# KiCad board Scopefun_v2.kicad_pcb (continued)
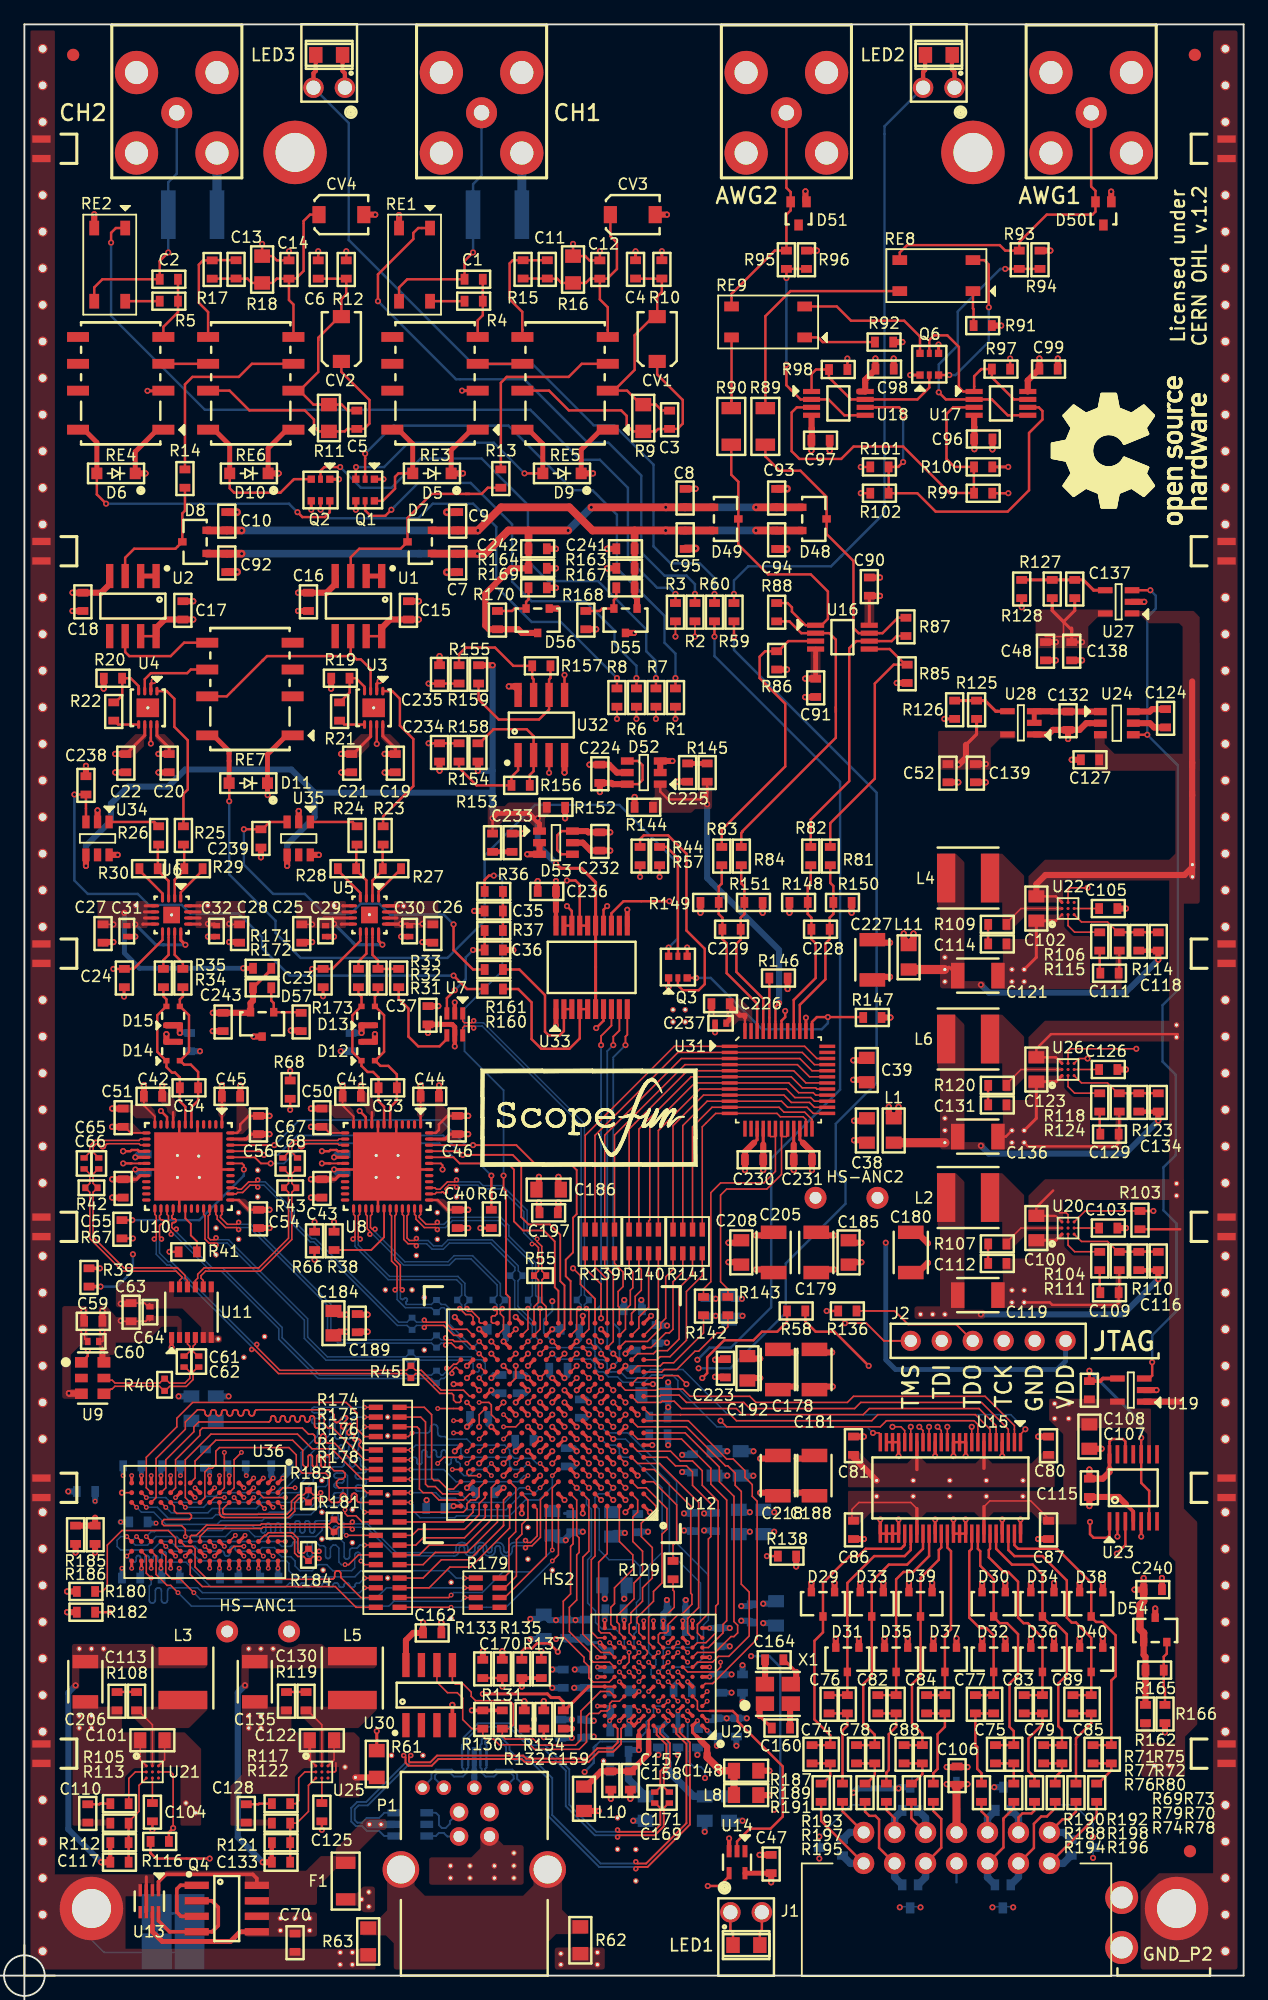
[diagram p0: board, top side]
## Routing (per net, layer and track width the routed paths; a pad name or vN(x,y) marks a point on that pad's centre or on a via; arc(x,y) is an arc through that point) (continued)
/DDR3 SDRAM/DDR3_A14_: length 28.6
  Top w0.127: U36.T7 v2(8.4,36) ; R177.4 27.9,33.7 v2(27.6,34)
  Bottom w0.127: 27.59,34.01 27.59,34.46 27.59,34.51 27.57,34.56 27.54,34.61 27.5,34.65 27.45,34.68 27.4,34.7 27.34,34.71 27.29,34.7 27.24,34.68 27.19,34.65 27.15,34.61 27.12,34.56 27.1,34.51 27.09,34.46 27.09,33.46 26.84,33.2 25.3,33.2 24.8,33.7 24.1,33.7 23.6,33.2 22.6,33.2 22.2,33.6 22.2,34 21.85,34.35 21.1,34.35 20.8,34.65 20.8,34.8 20.5,35.1 19.5,35.1 19.2,34.8 17.5,34.8 17.46,34.81 17.41,34.82 17.38,34.84 17.34,34.88 17.32,34.91 17.31,34.96 17.29,35.04 17.28,35.09 17.26,35.12 17.22,35.16 17.19,35.18 17.14,35.19 17.1,35.2 17.05,35.2 17.01,35.19 16.96,35.18 16.93,35.16 16.89,35.12 16.87,35.09 16.86,35.04 16.85,35 16.85,34.6 16.84,34.56 16.83,34.51 16.81,34.48 16.77,34.44 16.74,34.42 16.69,34.41 16.65,34.4 16.6,34.4 16.56,34.41 16.51,34.42 16.48,34.44 16.44,34.48 16.42,34.51 16.41,34.56 16.39,34.64 16.38,34.69 16.36,34.72 16.32,34.76 16.29,34.78 16.24,34.79 16.2,34.8 14.4,34.8 14,35.2 12.4,35.2 12,35.6 11.2,35.6 10.5,34.9 7.9,34.9 7.6,35.2 7.6,35.7 7.9,36 v2(8.4,36)
/DDR3 SDRAM/DDR3_BA0_: length 23.4
  Top w0.127: R175.3 27.6,41.5 25.45,43.65 24.95,43.65 24.9,43.66 24.85,43.67 24.81,43.7 24.77,43.73 24.75,43.78 24.73,43.82 24.73,43.88 24.73,44.18 24.72,44.23 24.7,44.27 24.68,44.32 24.64,44.35 24.6,44.38 24.55,44.39 24.5,44.4 24.45,44.39 24.4,44.38 24.36,44.35 24.32,44.32 24.3,44.27 24.28,44.23 24.27,44.18 24.27,43.88 24.27,43.82 24.25,43.78 24.23,43.73 24.19,43.7 24.15,43.67 24.1,43.66 24.05,43.65 24,43.66 23.95,43.67 23.91,43.7 23.87,43.73 23.85,43.78 23.83,43.82 23.83,43.88 23.83,44.18 23.82,44.23 23.8,44.27 23.78,44.32 23.74,44.35 23.7,44.38 23.65,44.39 23.6,44.4 23.3,44.4 22.8,44.9 14.6,44.9 14.4,44.7 14.4,44.3 12.4,42.3 12.4,40 U36.M2
/DDR3 SDRAM/DDR3_BA1_: length 28.6
  Top w0.127: v2(13.9,31.4) 12.8,32.5 12.1,32.5 11.6,33 11.6,34.4 U36.N8 ; R179.2 v2(36.1,31.8)
  Bottom w0.127: v2(13.9,31.4) 14.4,30.9 28.8,30.9 29.7,31.8 v2(36.1,31.8)
/DDR3 SDRAM/DDR3_BA2_: length 29.6
  Top w0.127: v2(13.2,36) 13.2,36.6 12.9,36.9 11.45,36.9 11.3,37.05 11.3,37.25 11.45,37.4 13.55,37.4 13.7,37.55 13.7,37.75 13.55,37.9 12.5,37.9 12.3,38.1 12.3,38.5 U36.M3 ; v2(27.9,35.3) 28.8,35.3
  Bottom w0.127: 27.52,35.3 27.32,35.1 ; 27.52,35.3 27.27,35.05 26.9,35.05 26.85,35.04 26.8,35.03 26.76,35 26.72,34.97 26.7,34.92 26.68,34.88 26.67,34.83 26.67,34.38 26.67,34.32 26.65,34.28 26.63,34.23 26.59,34.2 26.55,34.17 26.5,34.16 26.45,34.15 26.4,34.16 26.35,34.17 26.31,34.2 26.27,34.23 26.25,34.28 26.23,34.32 26.23,34.38 26.23,35.47 25.77,35.93 25.77,36.62 25.77,36.68 25.75,36.72 25.73,36.77 25.69,36.8 25.65,36.83 25.6,36.84 25.55,36.85 25.5,36.84 25.45,36.83 25.41,36.8 25.37,36.77 25.35,36.72 25.33,36.68 25.33,36.62 25.33,35.96 25.32,35.9 25.3,35.86 25.28,35.81 25.24,35.78 25.2,35.75 25.15,35.74 25.1,35.73 25.05,35.74 25,35.75 24.96,35.78 24.92,35.81 24.9,35.86 24.88,35.9 24.88,35.96 24.88,36.62 24.87,36.68 24.85,36.72 24.83,36.77 24.79,36.8 24.75,36.83 24.7,36.84 24.65,36.85 24.6,36.84 24.55,36.83 24.51,36.8 24.47,36.77 24.45,36.72 24.43,36.68 24.42,36.62 24.42,36.53 23.9,36 18.9,36 18.4,36.5 17,36.5 16.5,36 v2(13.2,36) ; 27.52,35.3 v2(27.9,35.3)
/DDR3 SDRAM/DDR3_CAS#_: length 21.7
  Top w0.127: U36.K3 13.2,39.2 13.2,40.21 13.2,42.3 15.3,44.4 22.4,44.4 23.6,43.2 25.2,43.2 27.7,40.7 R175.4
/DDR3 SDRAM/DDR3_CKE_: length 17.7
  Top w0.127: 22.5,31.9 22.8,31.9 ; 22.5,31.9 25.5,31.9 27.2,30.2 R178.4 ; 22.5,31.9 14.6,31.9 13.6,32.9 U36.K9
/DDR3 SDRAM/DDR3_ODT_: length 26.8
  Top w0.127: R176.1 28.1,39.6 27.7,40 25.8,40 25.6,40.2 25.6,40.5 25.8,40.7 26.1,40.7 26.3,40.9 26.3,41.2 26.1,41.4 25.4,41.4 25.02,41.78 25.02,42.53 25.02,42.56 25.01,42.6 24.99,42.63 24.96,42.66 24.93,42.68 24.89,42.7 24.85,42.7 24.81,42.7 24.77,42.68 24.74,42.66 24.71,42.63 24.69,42.6 24.68,42.56 24.67,42.53 24.67,41.88 24.67,41.84 24.66,41.8 24.64,41.77 24.61,41.74 24.58,41.72 24.54,41.7 24.5,41.7 24.46,41.7 24.42,41.72 24.39,41.74 24.36,41.77 24.34,41.8 24.33,41.84 24.33,41.88 24.33,42.53 24.32,42.56 24.31,42.6 24.29,42.63 24.26,42.66 24.23,42.68 24.19,42.7 24.15,42.7 24.11,42.7 24.07,42.68 24.04,42.66 24.01,42.63 23.99,42.6 23.98,42.56 23.98,42.53 23.98,41.88 23.97,41.84 23.96,41.8 23.94,41.77 23.91,41.74 23.88,41.72 23.84,41.7 23.8,41.7 23.76,41.7 23.72,41.72 23.69,41.74 23.66,41.77 23.64,41.8 23.63,41.84 23.62,41.88 23.62,42.53 23.62,42.56 23.61,42.6 23.59,42.63 23.56,42.66 23.53,42.68 23.49,42.7 23.45,42.7 23.41,42.7 23.37,42.68 23.34,42.66 23.31,42.63 23.29,42.6 23.28,42.56 23.27,42.53 23.27,41.88 23.27,41.84 23.26,41.8 23.24,41.77 23.21,41.74 23.18,41.72 23.14,41.7 23.1,41.7 23.06,41.7 23.02,41.72 22.99,41.74 22.83,41.9 22.83,43.07 22,43.9 15.7,43.9 14,42.2 14,40.8 U36.K1
/DDR3 SDRAM/DDR3_RAS#_: length 24
  Top w0.127: R176.2 27.5,38.8 27.45,38.81 27.4,38.82 27.36,38.85 27.32,38.88 27.3,38.93 27.28,38.97 27.27,39.03 27.27,39.33 27.27,39.38 27.25,39.42 27.23,39.47 27.19,39.5 27.15,39.53 27.1,39.54 27.05,39.55 27,39.54 26.95,39.53 26.91,39.5 26.87,39.47 26.85,39.42 26.83,39.38 26.83,39.33 26.83,39.03 26.82,38.97 26.8,38.93 26.78,38.88 26.74,38.85 26.7,38.82 26.65,38.81 26.6,38.8 26.55,38.81 26.5,38.82 26.46,38.85 26.42,38.88 26.4,38.93 26.38,38.97 26.38,39.03 26.38,39.33 26.37,39.38 26.35,39.42 26.33,39.47 26.29,39.5 26.25,39.53 26.2,39.54 26.15,39.55 26.1,39.54 26.05,39.53 26.01,39.5 25.97,39.47 25.95,39.42 25.93,39.38 25.92,39.33 25.92,39.03 25.92,38.97 25.9,38.93 25.88,38.88 25.84,38.85 25.8,38.82 25.75,38.81 25.7,38.8 25.2,38.8 25,39 25,40.9 24.7,41.2 22.8,41.2 22.3,41.7 22.3,42.7 21.7,43.3 16,43.3 15.7,43 15.7,41.9 15.4,41.6 15.1,41.6 14.8,41.3 14.8,39.2 U36.J3 14.39,38.8
/DDR3 SDRAM/DDR3_WE#_: length 27.7
  Top w0.127: R174.2 v2(27.9,45.8) ; U36.L3 v2(13.2,38.4)
  Bottom w0.127: v2(27.9,45.8) 27.05,45.8 27,45.79 26.95,45.78 26.91,45.75 26.87,45.72 26.85,45.67 26.83,45.63 26.83,45.58 26.83,44.22 26.82,44.17 26.8,44.13 26.78,44.08 26.74,44.05 26.7,44.02 26.65,44.01 26.6,44 26.55,44.01 26.5,44.02 26.46,44.05 26.42,44.08 26.4,44.13 26.38,44.17 26.38,44.22 26.38,45.58 26.37,45.63 26.35,45.67 26.33,45.72 26.29,45.75 26.25,45.78 26.2,45.79 26.15,45.8 26.1,45.79 26.05,45.78 26.01,45.75 25.97,45.72 25.95,45.67 25.93,45.63 25.92,45.58 25.92,44.22 25.92,44.17 25.9,44.13 25.88,44.08 25.84,44.05 25.8,44.02 25.75,44.01 25.7,44 25.65,44.01 25.6,44.02 25.56,44.05 25.52,44.08 25.5,44.13 25.48,44.17 25.48,44.22 25.48,45.58 25.47,45.63 25.45,45.67 25.43,45.72 25.39,45.75 25.35,45.78 25.3,45.79 25.25,45.8 25.2,45.79 25.15,45.78 25.11,45.75 25.07,45.72 25.05,45.67 25.03,45.63 25.02,45.58 25.02,44.33 23.5,42.8 23.5,41.2 22.8,40.5 22.8,39.9 22.5,39.6 21.2,39.6 20.8,39.2 19.4,39.2 19,38.8 15.1,38.8 14.7,38.4 v2(13.2,38.4)
/DDR3 SDRAM/VFREF: length 5.3
  Top w0.127: 15.2,40.99 v2(15.19,41)
  Top w0.25: U36.M8 v2(12.4,34.4) ; U36.H1 15.2,40.99
  Top w0.5: 4.3,36.9 v2(5,36.9) R185.2 ; 5.8,36.95 v2(5.8,37.55)
  Bottom w0.4: v2(10.8,37.1) 10.3,37.1 ; 14.9,41.6 15.19,41.31 v2(15.19,41)
  Bottom w0.5: 10.3,37.1 10.2,37.2 ; 5.8,39.6 v2(5.8,38.9)
/GAIN, OFFSET/AN_TRIG: length 8.6
  Top w0.127: R31.1 30.85,81.05
  Top w0.2: U7.4 34.65,76.8 34.05,76.2 32.3,76.2 31.5,77 31.5,79.3 30.7,80.1 R31.1
/POWER SUPPLY/A2_L_1V0: length 5.2
  Top w0.127: 80.56,60 80.56,60.13 81.73,61.3 U20.A2
/POWER SUPPLY/A2_L_1V2: length 5.2
  Top w0.127: 23.1,21.74 23.23,21.74 24.4,20.56 U25.A2
/POWER SUPPLY/A2_L_1V5: length 5.2
  Top w0.127: U21.A2 10.5,20.56 9.33,21.74 9.2,21.74
/POWER SUPPLY/A2_L_1V8: length 5.2
  Top w0.127: 80.56,73 80.56,73.13 81.73,74.3 U26.A2
/POWER SUPPLY/A2_L_3V3: length 5.2
  Top w0.127: U22.A2 81.73,87.5 80.56,86.33 80.56,86.2
/POWER SUPPLY/PG1: length 27.4
  Top w0.127: R103.2 87,62.7 U20.C3 ; U26.B3 85.6,75.8 85.8,76 v1(91.2,76)
  Top w0.2: R103.2 v1(92.6,62.7)
  In2.Cu w0.2: v1(92.6,62.7) 92.6,68.8 91.2,70.2 v1(91.2,76)
/POWER SUPPLY/PG2: length 179.1
  Top w0.127: U22.B3 85.6,89 85.8,89.2 86.9,89.2 ; U26.C3 86.5,75.2 87,75.2 ; 86.9,89.2 87,89.2 ; 86.9,89.2 v1(87.2,89.2) ; v1(12.2,12.1) 12.2,16.5 12,16.7 U21.B3
  Top w0.2: v1(12.2,12.1) 11.85,11.75 R116.2
  In2.Cu w0.2: v1(12.2,12.1) 19.2,12.1 27.8,3.5 83.3,3.5 94.8,15 94.8,58.45 87.2,66.05 v1(87.2,75.2) v1(87.2,89.2)
/USB FX3/TX+: length 6.3
  Top w0.155: U29.A5 52.14,20.24 52.14,19.86 52.94,19.06 52.94,17.14 52.44,16.64 52.44,15.46 52.85,15.05 C169.2
/USB FX3/TX-: length 6.3
  Top w0.155: C171.2 51.75,15.05 52.16,15.46 52.16,16.76 52.66,17.26 52.66,18.94 51.86,19.74 51.86,20.24 U29.A6
/USB Port/U2D+: length 3.3
  Bottom w0.155: D16.3 33.23,11.45 ; D16.3 32.77,11.45 ; D16.3 33.75,11.45 34,11.7 34.4,11.7 34.69,11.41 P1.3
/USB Port/U2D-: length 4.6
  Bottom w0.127: 35.59,13.35 P1.2
  Bottom w0.155: P1.2 34.9,12.66 34.9,12.45 34.55,12.1 34.25,12.1 34,12.35 34,13.1 33.75,13.35 D16.1 32.77,13.35
A_D0_J2: length 24.6
  Top w0.2: C85.2 R78.2 89.15,24.2 89.5,24.55 89.5,27.9 88.4,29 87.9,29 87.5,29.4 D38.3 87.5,32.2 84.7,35 81.5,35 81.2,35.3 U15.47
A_D1_J1: length 19.1
  Top w0.2: U15.46 80.7,34.9 81.2,34.4 83.5,34.4 85.5,32.4 85.5,29.35 85.9,28.95 86.25,28.95 87.5,27.7 D40.3 R80.2 C89.2
A_D2_J4: length 23
  Top w0.2: U15.44 79.7,35 81,33.7 82.7,33.7 83.5,32.9 D34.3 83.5,29.4 84,28.9 84.6,28.9 85.5,28 85.5,24.65 84.8,23.95 84.8,20.45 85.1,20.15 R74.2 C79.2
A_D3_J3: length 17
  Top w0.2: U15.43 79.2,35 79.1,34.9 79.1,34.3 80.3,33.1 80.7,33.1 81.5,32.3 81.5,29.35 81.95,28.9 82.3,28.9 83.5,27.7 D36.3 R76.2 C83.2
A_D4_J6: length 21
  Top w0.2: U15.41 78.2,35 78.4,34.8 78.4,33.6 79.5,32.5 D30.3 79.5,29.4 80,28.9 80.6,28.9 81.5,28 81.5,24.65 80.8,23.95 80.8,20.4 81.15,20.05 R70.2 C75.2
A_D5_J5: length 16
  Top w0.2: C77.2 R72.2 D32.3 79.5,27.9 78.9,28.5 78.35,28.5 77.5,29.35 77.5,34.8 77.7,35 U15.40
A_D6_J10: length 15.1
  Top w0.2: C84.2 R77.2 D37.3 75.5,27.9 76,28.4 76,34.8 75.7,35.1 75.7,35.4 ; 75.7,35.4 75.7,35.36 ; 75.7,35.4 U15.36
A_D7_J9: length 20.4
  Top w0.2: 73.5,29.65 73.5,24.6 72.8,23.9 72.8,20.7 73.65,19.85 R79.2 C88.2 ; D39.3 73.5,32.6 75,34.1 75,34.9 75.2,35.1 U15.35
A_D8_J12: length 22.1
  Top w0.2: U15.32 73.7,35 72.4,33.7 70.9,33.7 69.5,32.3 D33.3 69.5,24.6 68.8,23.9 68.8,20.7 69.75,19.75 R73.2 C78.2
A_D9_J11: length 16.3
  Top w0.2: U15.33 74.2,34.4 72.9,33.1 72.1,33.1 71.5,32.5 D35.3 R75.2 C82.2
A_D10_J14: length 24.6
  Top w0.2: U15.29 72.2,35.3 72.1,35.2 72.1,35.2 71.9,35 69,35 68.4,34.4 67.7,34.4 65.5,32.2 D29.3 65.5,28.15 64.8,27.45 64.8,21 66.1,19.7 R69.2 C74.2
A_D11_J13: length 18.4
  Top w0.2: 72.7,35.36 72.7,35.1 72.7,35.1 72.7,34.9 72.2,34.4 69.7,34.4 67.5,32.2 D31.3 R71.2 C76.2 ; 72.7,35.36 U15.30 ; 72.7,35.36 72.7,35.36
ADC_CLK_EN: length 89.9
  Top w0.127: 4.65,50.08 4.73,50.08
  Top w0.2: U14.4 57.8,8.15 57,7.35 v1(56.05,7.35) ; U9.1 5.2,50.81 v1(5.2,51.2)
  In2.Cu w0.2: v1(5.2,51.2) 5.2,49.8 5,49.6 5,40 4.3,39.3 4.3,36.1 5,35.4 5,34.2 4.5,33.7 4.5,28.9 5.7,27.7 7.3,27.7 23.8,11.2 32.25,11.2 33.7,9.75 33.7,7.1 34.9,5.9 53.65,5.9 55.1,7.35 v1(56.05,7.35)
ADC_CLK_EN_S: length 19.9
  Top w0.127: 56.2,21.7 55.35,21.7 55.2,21.85 55.2,22.5 54.8,22.9
  Top w0.2: 56.2,21.7 58.1,21.7 58.5,21.3 58.5,20.85 62.2,17.15 62.2,13.05 61.2,12.05 59.5,12.05 58.45,11 U14.2
ADC_RESETN: length 153.6
  Top w0.127: U29.H6 v2(52,26.5)
  Top w0.15: 9.4,66.6 8.8,66.6 ; 25.7,66.6 25.1,66.6
  Top w0.2: 9.4,66.6 U10.18 ; 8.8,66.6 v1(8.1,66.6) ; U8.18 25.7,66.6 ; v1(24.4,66.6) 25.1,66.6
  Top w0.3: R39.2 v1(6.2,58)
  In2.Cu w0.127: v2(52,26.5) 52,25.7 52.4,25.3 52.4,24.5 52.41,24.49 52.41,23.79 52.6,23.6 55.5,23.6 55.8,23.9 56.5,23.9 56.7,24.1 58.7,24.1 59.6,25 v1(59.6,26.2)
  In2.Cu w0.2: v1(24.4,66.6) 22.8,66.6 19.4,63.2 18,63.2 16.9,64.3 9.4,64.3 8.1,65.6 v1(8.1,66.6) 7.05,66.6 6.2,65.75 v1(6.2,58) 7.2,57 7.2,50.1 6.6,49.5 6.6,34.2 5.7,33.3 5.7,29.4 6.7,28.4 8.5,28.4 11.6,25.3 20.2,25.3 28.4,17.1 41.4,17.1 43,15.5 50.2,15.5 52.1,13.6 v1(61.5,13.6)
  Bottom w0.2: v1(59.6,26.2) 61.1,26.2 62,25.3 62,14.1 v1(61.5,13.6)
ADC_SCLK: length 45.3
  Top w0.15: v1(19.65,67.3) 19.35,67.6 U10.45 ; U12.R8 44.3,53 44.3,56.6 43.95,56.95 43.95,60.75 43.1,61.6 41.35,61.6 40.75,62.2 40.75,66.6 40.05,67.3 v1(35.95,67.3) 35.65,67.6 U8.45
  Bottom w0.15: v1(19.65,67.3) 20.8,67.3 22.4,68.9 34.35,68.9 v1(35.95,67.3)
ADC_SDIN: length 47.6
  Top w0.15: v1(20.5,68.1) U10.46 ; U8.46 v1(36.8,68.1) 40.35,68.1 41.9,66.55 44.8,66.55 45.3,66.05 45.3,62.45 45,62.15 45,59.3 44.4,58.7 44.4,57.35 44.8,56.95 U12.T7
  Bottom w0.15: v1(36.8,68.1) 36.2,68.1 34.15,70.15 22.55,70.15 v1(20.5,68.1)
ADCA_CS: length 22.5
  Top w0.15: U12.T8 43.8,56.15 43.5,56.45 43.5,60.2 42.6,61.1 40.9,61.1 40.15,61.85 40.15,66.1 39.65,66.6 35.7,66.6 35.2,67.1 U8.44
ADCB_CS: length 48.1
  Top w0.15: U10.44 18.9,67.1 19.4,66.6 v1(20.2,66.6) ; U12.L15 v1(37.3,48)
  Top w0.2: R64.2 v1(38.3,65.6)
  In2.Cu w0.15: v1(37.3,48) 37.8,48.5 37.8,51.3 37.6,51.5 36.8,51.5 34.5,53.8 34.5,55.4 35.6,56.5 35.6,58 38.3,60.7 v1(38.3,65.6)
  Bottom w0.15: v1(20.2,66.6) 21.3,66.6 22.95,68.25 34.05,68.25 35.7,66.6 37.3,66.6 v1(38.3,65.6)
AN_TRIG_LEVEL: length 41.9
  Top w0.15: v1(39.3,65.6) 39.3,64.55 39.5,64.35 39.5,55.9 39.8,55.6 U12.T12
  Top w0.2: v1(38.5,90.2) 38.1,90.2 37.75,89.85 R36.2
  Bottom w0.15: v1(39.3,65.6) 39.3,72.6 36.1,75.8 36.1,79.3 39.2,82.4 39.2,89.9 38.9,90.2 v1(38.5,90.2)
AN_TRIG_N: length 31.8
  Top w0.127: v3(45.5,54.7) 45.3,54.5 45.3,53 U12.R7 ; U7.6 35.95,77.73 36.09,77.87 36.69,77.87 v3(36.85,77.7)
  Bottom w0.127: v3(45.5,54.7) 45.67,54.86 45.67,55.01 45.3,55.38 R56.1 ; 45.3,55.45 45.67,55.82 45.67,69.74 37.54,77.87 37.01,77.87 v3(36.85,77.7)
AN_TRIG_P: length 32.2
  Top w0.127: U7.1 35.95,78.27 36.09,78.13 36.69,78.13 v3(36.85,78.3) ; U12.R6 46.3,53 46.3,54.5 v3(46.1,54.7)
  Bottom w0.127: 46.3,55.45 45.93,55.82 45.93,69.86 37.66,78.13 37.01,78.13 v3(36.85,78.3) ; R56.2 46.3,55.38 45.93,55.01 45.93,54.86 v3(46.1,54.7)
AWG1_PROT: length 16.3
  Top w0.2: 78.35,131.6 78.47,131.72 ; 78.35,131.6 77.9,131.15 77.9,130.31 77.9,130.31 U17.1 77,129.9 76.65,130.25 76.65,133.55 75.7,134.5 74.6,134.5 74.22,134.12 Q6.5 ; 78.35,131.6 78.48,131.73 R97.2 79.35,131.06 81.16,129.25 U17.7
AWG1_PROTECT: length 13
  Top w0.2: RE8.2 78.73,140.67 79.1,140.3 v1(79.1,136.8) ; Q6.3 v1(75.86,131.25)
  Bottom w0.2: v1(79.1,136.8) 79.1,133.97 76.37,131.25 v1(75.86,131.25)
AWG2_PROT: length 14.1
  Top w0.2: U18.1 64.56,131.33 64.93,131.7 65.99,131.7 65.99,131.06 67.8,129.25 U18.7 73.25,129.25 74.22,130.22 Q6.2
AWG2_PROTECT: length 11.9
  Top w0.2: RE9.2 66.63,136.87 67.8,135.7 72.16,135.7 73.46,134.4 Q6.6
CC_AB: length 48.1
  Top w0.15: U12.L12 40.3,49 v1(40.3,50)
  Top w0.2: v1(50.5,90.1) R44.1
  In2.Cu w0.15: v1(40.3,50) 40.8,50.5 40.8,52.5 41.8,53.5 41.8,56.5 45.9,60.6 47,60.6 51.1,64.7 51.1,89.5 v1(50.5,90.1)
CH1_ADC_CLK_IN+: length 6.1
  Top w0.127: C67.2 21.67,67.52 21.67,68.06 22.09,68.48 25.7,68.48 25.82,68.6 U8.14
CH1_ADC_CLK_IN-: length 6.1
  Top w0.127: C68.2 21.93,67.52 21.93,67.94 22.21,68.22 22.3,68.22 22.34,68.21 22.39,68.2 22.42,68.17 22.45,68.14 22.48,68.1 22.49,68.06 22.5,67.97 22.52,67.93 22.54,67.89 22.57,67.86 22.61,67.84 22.65,67.82 22.7,67.82 22.75,67.82 22.79,67.82 22.84,67.84 22.87,67.86 22.9,67.89 22.93,67.93 22.94,67.97 22.95,68.06 22.97,68.1 22.99,68.14 23.02,68.17 23.06,68.2 23.1,68.21 23.15,68.22 25.7,68.22 25.82,68.1 U8.15
CH1_CM: length 20.6
  Top w0.2: v1(23.6,82.55) C23.1 25.25,82.55 27.55,84.85 U5.9 ; U8.10 28,70.4 v1(27.5,70.9)
  In2.Cu w0.2: v1(27.5,70.9) 26.8,71.6 26.8,76.2 23.15,79.85 23.15,82.1 v1(23.6,82.55)
CH1_DC: length 65.3
  Top w0.15: U12.R12 v1(40.3,53) ; R2.1 v1(55,109.8)
  In2.Cu w0.15: v1(55,109.8) 55,96.4 49.6,91 49.6,89.5 50.15,88.95 50.15,66.05 40.8,56.7 40.8,53.5 v1(40.3,53)
CH1_GAIN: length 11.5
  Top w0.2: U3.7 28.9,102.59 v1(28.9,101) ; R159.1 C235.1 v1(33.15,105.95)
  In2.Cu w0.2: v1(33.15,105.95) 32.2,105 32.2,103.05 30.15,101 v1(28.9,101)
CH1_GAIN_ADJ: length 25.6
  Top w0.2: U33.16 U33.17 45.55,89.45 45.2,89.8 v1(44.5,89.8) ; v1(44.3,106.65) 44.3,105.02 44.31,105.02
  In2.Cu w0.2: v1(44.3,106.65) 43.7,106.05 43.7,94.5 42.6,93.4 42.6,90.9 43.1,90.4 43.9,90.4 v1(44.5,89.8)
CH1_GND: length 62.4
  Top w0.15: v1(53.4,103.05) R1.1 ; U12.M12 v1(39.3,50)
  In2.Cu w0.15: v1(53.4,103.05) 49,98.65 49,93.85 48.2,93.05 47.6,93.05 47.2,92.65 47.2,79.4 46.15,78.35 46.15,77.1 43,73.95 43,62.4 40.7,60.1 40.7,59.2 38.1,56.6 38.1,54 39.3,52.8 39.3,52.7 39.8,52.2 39.8,51.8 39.3,51.3 v1(39.3,50)
CH1_K: length 59.8
  Top w0.127: U12.P13 v1(38.3,52)
  Top w0.15: v1(50.2,103.05) R6.2
  In2.Cu w0.15: v1(50.2,103.05) 46.9,99.75 46.9,98.2 46.4,97.7 46.4,94.55 45.8,93.95 45.8,80.35 44.35,78.9 44.35,77.5 40.4,73.55 40.4,62.3 39.2,61.1 39.2,60.3 36.9,58 36.9,54.2 36.4,53.7 36.4,52.9 36.8,52.5 37.8,52.5 v1(38.3,52)
CH1_OFFSET: length 4
  Top w0.2: U35.1 26.93,94.6 R24.2
CH1_OFFSET_ADJ: length 11.6
  Top w0.2: R161.2 40.6,82.5 42.7,80.4 42.7,77.4 43,77.1 43.9,77.1 44.25,77.45 U33.2 U33.3
CH2_ADC_CLK_IN+: length 6.1
  Top w0.127: C65.2 5.37,67.52 5.37,68.06 5.79,68.48 9.4,68.48 9.52,68.6 U10.14
CH2_ADC_CLK_IN-: length 6.1
  Top w0.127: U10.15 9.52,68.1 9.4,68.22 6.85,68.22 6.8,68.21 6.76,68.2 6.72,68.17 6.69,68.14 6.67,68.1 6.65,68.06 6.64,67.97 6.63,67.93 6.6,67.89 6.57,67.86 6.54,67.84 6.49,67.82 6.45,67.82 6.4,67.82 6.35,67.82 6.31,67.84 6.27,67.86 6.24,67.89 6.22,67.93 6.2,67.97 6.19,68.06 6.18,68.1 6.15,68.14 6.12,68.17 6.09,68.2 6.04,68.21 6,68.22 5.91,68.22 5.63,67.94 5.63,67.52 C66.2
CH2_CM: length 20.8
  Top w0.2: U10.10 11.7,70.4 v1(11.2,70.9) ; U6.9 11.33,84.93 8.95,82.55 C24.1 v1(7.3,82.55)
  In2.Cu w0.2: v1(11.2,70.9) 10.5,71.6 10.5,76.3 6.7,80.1 6.7,81.95 v1(7.3,82.55)
CH2_DC: length 67.3
  Top w0.15: U12.N12 v1(40.3,51) ; v1(53.4,109.8) R3.1
  In2.Cu w0.15: v1(53.4,109.8) 54.2,109 54.2,102 51.2,99 51.2,94.1 48.7,91.6 48.7,85.6 48,84.9 48,77.9 46.5,76.4 46.5,63.7 39.8,57 39.8,52.8 40.3,52.3 v1(40.3,51)
CH2_GAIN: length 30.3
  Top w0.2: R158.1 C234.1 v1(33.15,101.05) ; 10.37,101.5 v1(10.37,101.03) ; 10.37,101.5 U4.7 ; 10.37,101.5 10.37,101.13
  In2.Cu w0.2: v1(10.37,101.03) 20.27,101.03 24,97.3 29.4,97.3 v1(33.15,101.05)
CH2_GAIN_ADJ: length 18.9
  Top w0.2: U32.3 v1(43.03,98.64) ; v1(44.5,87.7) 44.9,87.3 U33.18 U33.19
  In2.Cu w0.2: v1(44.5,87.7) 42.6,87.7 40.2,90.1 40.2,95.8 v1(43.03,98.64)
CH2_GND: length 60.4
  Top w0.15: U12.N13 v1(38.3,51) ; v1(51.8,103.05) R7.1
  In2.Cu w0.15: v1(38.3,51) 38.8,51.5 38.8,52.5 37.5,53.8 37.5,57.2 40,59.7 40,60.6 41.4,62 41.4,73.45 45.25,77.3 45.25,78.75 46.5,80 46.5,93.3 47.85,94.65 47.85,99.1 v1(51.8,103.05)
CH2_K: length 64.5
  Top w0.15: U12.M15 v1(36.3,49) ; v1(48.6,103.05) R8.2
  In2.Cu w0.15: v1(36.3,49) U12.M15 36.8,50.5 36.2,51.1 34.2,51.1 33.8,51.5 33.8,58.8 35.5,60.5 35.5,63.2 37.2,64.9 37.2,65.8 39.3,67.9 39.3,74.85 45.1,80.65 45.1,99.55 v1(48.6,103.05)
CH2_OFFSET: length 4.2
  Top w0.2: R26.2 10.66,94.6 U34.1
CH2_OFFSET_ADJ: length 13.5
  Top w0.2: R160.2 40.5,80.9 41.6,79.8 41.6,76.8 42.4,76 44.7,76 45.55,76.85 U33.4 U33.5
CLK_ADC_N: length 18.2
  Top w0.127: U12.N14 v3(37.3,51) ; v3(30.4,56.23) 30.57,56.39 30.57,58.14 30.12,58.59 30.12,62.3 30,62.42 U8.31 ; 37.43,50.87 37.43,50.89
  Bottom w0.127: v3(37.3,51) 36.92,51.38 36.53,51.38 34.58,53.32 34.58,54.59 34.41,54.77 34.19,54.77 33.83,54.4 R51.2 33.75,54.4 33.38,54.77 31.24,54.77 30.57,55.44 30.57,56.07 v3(30.4,56.23)
CLK_ADC_P: length 18.1
  Top w0.127: v3(31,56.23) 30.83,56.39 30.83,58.26 30.38,58.71 30.38,62.3 30.5,62.42 U8.32 ; U12.P14 v3(37.3,52)
  Bottom w0.127: v3(31,56.23) 30.83,56.07 30.83,55.56 30.91,55.48 30.93,55.46 30.96,55.45 31,55.44 31.03,55.44 31.06,55.45 31.09,55.46 31.12,55.48 31.15,55.52 31.18,55.54 31.21,55.55 31.24,55.56 31.28,55.56 31.31,55.55 31.34,55.54 31.37,55.52 31.39,55.49 31.4,55.46 31.41,55.43 31.41,55.4 31.4,55.36 31.39,55.33 31.37,55.31 31.33,55.27 31.31,55.25 31.3,55.22 31.29,55.18 31.29,55.15 31.3,55.12 31.31,55.09 31.33,55.06 31.36,55.03 33.38,55.03 33.75,55.4 R51.1 33.83,55.4 34.19,55.03 34.52,55.03 34.85,54.7 34.85,53.44 36.64,51.65 36.95,51.65 v3(37.3,52)
clk_fx3: length 8.2
  Top w0.127: U12.C1 51.6,40.5 53.5,38.6 53.5,35.6 53.2,35.3 R129.1
D0_J2: length 8.7
  Top w0.2: J1.2 87.95,13.08 R196.2
  Bottom w0.6: J1.2 85.2,9.2 D42.1
D1_J1: length 5.7
  Top w0.2: J1.1 85.15,12.82 85.62,12.82 86.25,13.45 R198.2
  Bottom w0.6: J1.1 85.26,11.74 D42.2
D2_J4: length 8.6
  Top w0.2: J1.4 82.8,10.47 82.8,12.45 83.4,13.05 83.87,13.05 84.55,13.73 R192.2
  Bottom w0.6: D47.2 81.53,8.08 J1.4
D3_J3: length 5.5
  Top w0.2: J1.3 81.53,12.98 81.86,13.3 82.6,13.3 82.85,13.55 R194.2
  Bottom w0.6: J1.3 81.53,12.97 D43.1
D4_J6: length 7.9
  Top w0.2: J1.6 80.3,10.51 80.3,12.88 81.15,13.73 R188.2
  Bottom w0.6: D47.1 78.99,8.06 J1.6
D5_J5: length 4.8
  Top w0.2: R190.2 78.5,13.47 78.99,12.98 J1.5
  Bottom w0.6: J1.5 78.99,12.89 D43.2
D6_J10: length 7.9
  Top w0.2: R195.2 74.55,13.5 75.2,12.85 75.2,10.49 J1.10
  Bottom w0.6: J1.10 73.91,8.06 D46.2
D7_J9: length 5.1
  Top w0.2: R197.2 72.75,12.9 J1.9
  Bottom w0.6: D44.1 73.91,12.94 J1.9
D8_J12: length 8.4
  Top w0.2: J1.12 70.1,10.47 70.1,12.8 69.8,13.1 69.3,13.1 68.95,13.45 R191.2
  Bottom w0.6: J1.12 71.37,8.08 D46.1
D9_J11: length 4.9
  Top w0.2: J1.11 71.37,12.9 70.7,13.57 R193.2
  Bottom w0.6: J1.11 71.37,12.92 D44.2
D10_J14: length 8.5
  Top w0.2: R187.2 65.35,12.68 J1.14
  Bottom w0.6: D45.2 67.75,9.2 J1.14
D11_J13: length 5.2
  Top w0.2: J1.13 67.1,13.47 R189.2
  Bottom w0.6: J1.13 67.69,11.74 D45.1
D+: length 32.7
  Top w0.155: v3(31.11,18.05) 31.26,17.9 31.26,17.45 31.5,17.21 33.41,17.21 33.96,17.76 40.79,17.76 41.04,17.51 46.26,17.51 47.11,18.36 48.31,18.36 48.94,18.99 48.94,20.24 U29.A9
  Bottom w0.155: v3(31.11,18.05) 31.26,17.9 31.26,17.46 28.04,14.24 27.29,14.24 26.81,13.76 26.81,12.64 27.19,12.26 27.7,12.26 27.77,12.19 27.77,12.18 28.08,11.87 29.09,11.87 29.51,11.45 D16.4
D-: length 31.3
  Top w0.155: v3(31.69,18.05) 31.54,17.9 31.54,17.57 31.62,17.49 33.29,17.49 33.84,18.04 40.91,18.04 41.16,17.79 46.14,17.79 46.99,18.64 48.19,18.64 48.66,19.11 48.66,20.24 U29.A10
  Bottom w0.155: v3(31.69,18.05) 31.54,17.9 31.54,17.34 28.16,13.96 27.41,13.96 27.09,13.64 27.09,12.76 27.31,12.54 27.69,12.54 28.08,12.93 29.09,12.93 29.51,13.35 D16.6
DAC_CLK_1: length 8.7
  Top w0.127: U12.M2 50.3,50 52.15,50 52.4,50.25 53.25,50.25 55.7,52.7 R142.2
DAC_CLK_2: length 9.4
  Top w0.127: R143.2 57.7,53.2 57.2,52.7 56.8,52.7 55.3,51.2 55,51.2 53.5,49.7 52.47,49.7 52.28,49.5 U12.M1
DAC_D0: length 11.8
  Top w0.127: 55.6,59.22 55.6,57.4 54.3,56.1 54.3,52.1 52.95,50.75 52.15,50.75 51.9,50.5 U12.N1
DAC_D1: length 12.1
  Top w0.127: U12.N2 50.3,51 51.6,51 51.85,51.25 52.75,51.25 53.7,52.2 53.7,56.4 54.8,57.5 54.8,59.22
DAC_D2: length 9.6
  Top w0.127: 54,59.22 54,57.7 53.2,56.9 53.2,53 52.9,52.7 52.6,52.7 51.4,51.5 U12.P1
DAC_D3: length 10.6
  Top w0.127: U12.P3 49.3,52 51.1,52 52.2,53.1 52.2,53.5 52.6,53.9 52.6,57.3 53.2,57.9 53.2,59.22
DAC_D4: length 7.2
  Top w0.127: 52,59.22 52,53.9 51.8,53.7 51.8,53.5 U12.R1
DAC_D5: length 7.3
  Top w0.127: U12.R2 50.4,53.1 50.4,54 51.2,54.8 51.2,59.22
DAC_D6: length 6.1
  Top w0.127: 50.4,59.22 50.4,58.1 50.6,57.9 50.6,56.2 50.1,55.7 50.1,54.6 49.8,54.3 U12.T2
DAC_D7: length 7.3
  Top w0.127: 49.6,59.22 49.6,58 49.9,57.7 49.9,56.4 49.7,56.2 49.7,55 49.3,54.6 49.3,53 U12.R3
DAC_D8: length 6.2
  Top w0.127: 48.4,59.22 48.4,58.4 49.1,57.7 49.1,56.5 48.7,56.1 48.7,54.9 48.8,54.8 U12.T3
DAC_D9: length 8.2
  Top w0.127: 47.6,59.22 47.6,58.2 48.3,57.5 48.3,52 U12.P4
DAC_D10: length 6.1
  Top w0.127: U12.T4 47.8,57.1 46.8,58.1 46.8,59.22
DAC_D11: length 8.9
  Top w0.127: 46,59.22 46,58 47.3,56.7 v1(47.3,53.9) ; U12.P5 v1(46.3,52)
  In2.Cu w0.127: v1(46.3,52) 46.3,52.9 v1(47.3,53.9)
DAC_EN: length 42.6
  Top w0.127: 46.2,56.1 45.6,56.7 45.6,57.4 v1(45,58)
  Top w0.15: 46.2,56.1 46.8,55.5 U12.T5
  Top w0.2: v1(52.1,90.1) R57.2
  In2.Cu w0.15: v1(45,58) 45,58.6 46.3,59.9 48.7,59.9 52.1,63.3 v1(52.1,90.1)
DAC_SLEEP: length 19.6
  Top w0.127: U31.37 64.6,78
  Top w0.2: Q3.3 55.1,81.81 v1(55.1,81.81) ; 68.77,78.6 v1(65.9,78.6) 65,78.6 64.6,78.2 U31.37
  Bottom w0.2: v1(55.1,81.81) 56.29,81.81 60.5,77.6 65.4,77.6 65.9,78.1 v1(65.9,78.6)
DASCLK: length 30.8
  Top w0.15: U12.M4 v1(48.3,50) ; v1(49.3,76.3) 49.3,77 49.45,77.15 U33.10
  Bottom w0.15: v1(49.3,76.3) 48.3,75.3 48.3,53.5 48.8,53 48.8,50.5 v1(48.3,50)
DASDIN: length 29.6
  Top w0.15: v1(48.3,76.3) 48.3,77 48.8,77.5 U33.9 ; U12.N3 v1(48.3,51)
  Bottom w0.15: v1(48.3,76.3) 47.8,75.8 47.8,51.5 v1(48.3,51)
DASYNC: length 29.7
  Top w0.15: v1(47.3,76.3) 47.3,77.05 48.15,77.9 U33.8 ; U12.N4 v1(47.3,51)
  Bottom w0.15: v1(47.3,76.3) 47.3,55 46.8,54.5 46.8,51.82 47.3,51.32 v1(47.3,51)
dataA0_N: length 17.5
  Top w0.127: v3(35.7,54.7) 36.2,54.2 36.6,54.2 36.8,54 U12.T15 ; v3(26.95,60.4) 27.12,60.56 27.12,62.3 27,62.42 U8.25
  Bottom w0.127: v3(26.95,60.4) 27.12,60.24 27.12,59.79 29.84,57.07 35.44,57.07 35.87,56.64 35.87,55.79 35.5,55.43 R50.1 35.5,55.38 35.87,55.01 35.87,54.86 v3(35.7,54.7)
dataA0_P: length 17.9
  Top w0.127: v3(36.3,54.7) 36.3,54.55 36.38,54.47 36.71,54.47 37.3,53.88 37.3,53.6 37.4,53.5 U12.T14 ; U8.26 27.5,62.42 27.38,62.3 27.38,60.56 v3(27.55,60.4)
  Bottom w0.127: v3(36.3,54.7) 36.13,54.86 36.13,55.01 36.5,55.38 R50.2 36.5,55.43 36.13,55.79 36.13,56.76 35.56,57.33 29.96,57.33 27.38,59.91 27.38,60.24 v3(27.55,60.4)
dataA1_N: length 19.1
  Top w0.127: U8.27 28,62.42 28.12,62.3 28.12,61.24 28.34,61.02 v3(28.34,60.79) ; v3(38.6,54.7) 38.77,54.54 38.77,54.27 38.6,54.1 38.4,54.1 38.3,54 38.3,53.6 38.4,53.5 U12.T13
  Bottom w0.127: v3(38.6,54.7) 38.77,54.86 38.77,55.01 38.4,55.38 R53.1 38.77,55.77 38.77,56.64 36.64,58.77 35.36,58.77 34.86,58.27 31.09,58.27 28.57,60.79 v3(28.34,60.79)